# Altium PCB CC-B00-V00.PcbDoc (part 1 of 3) (continued)
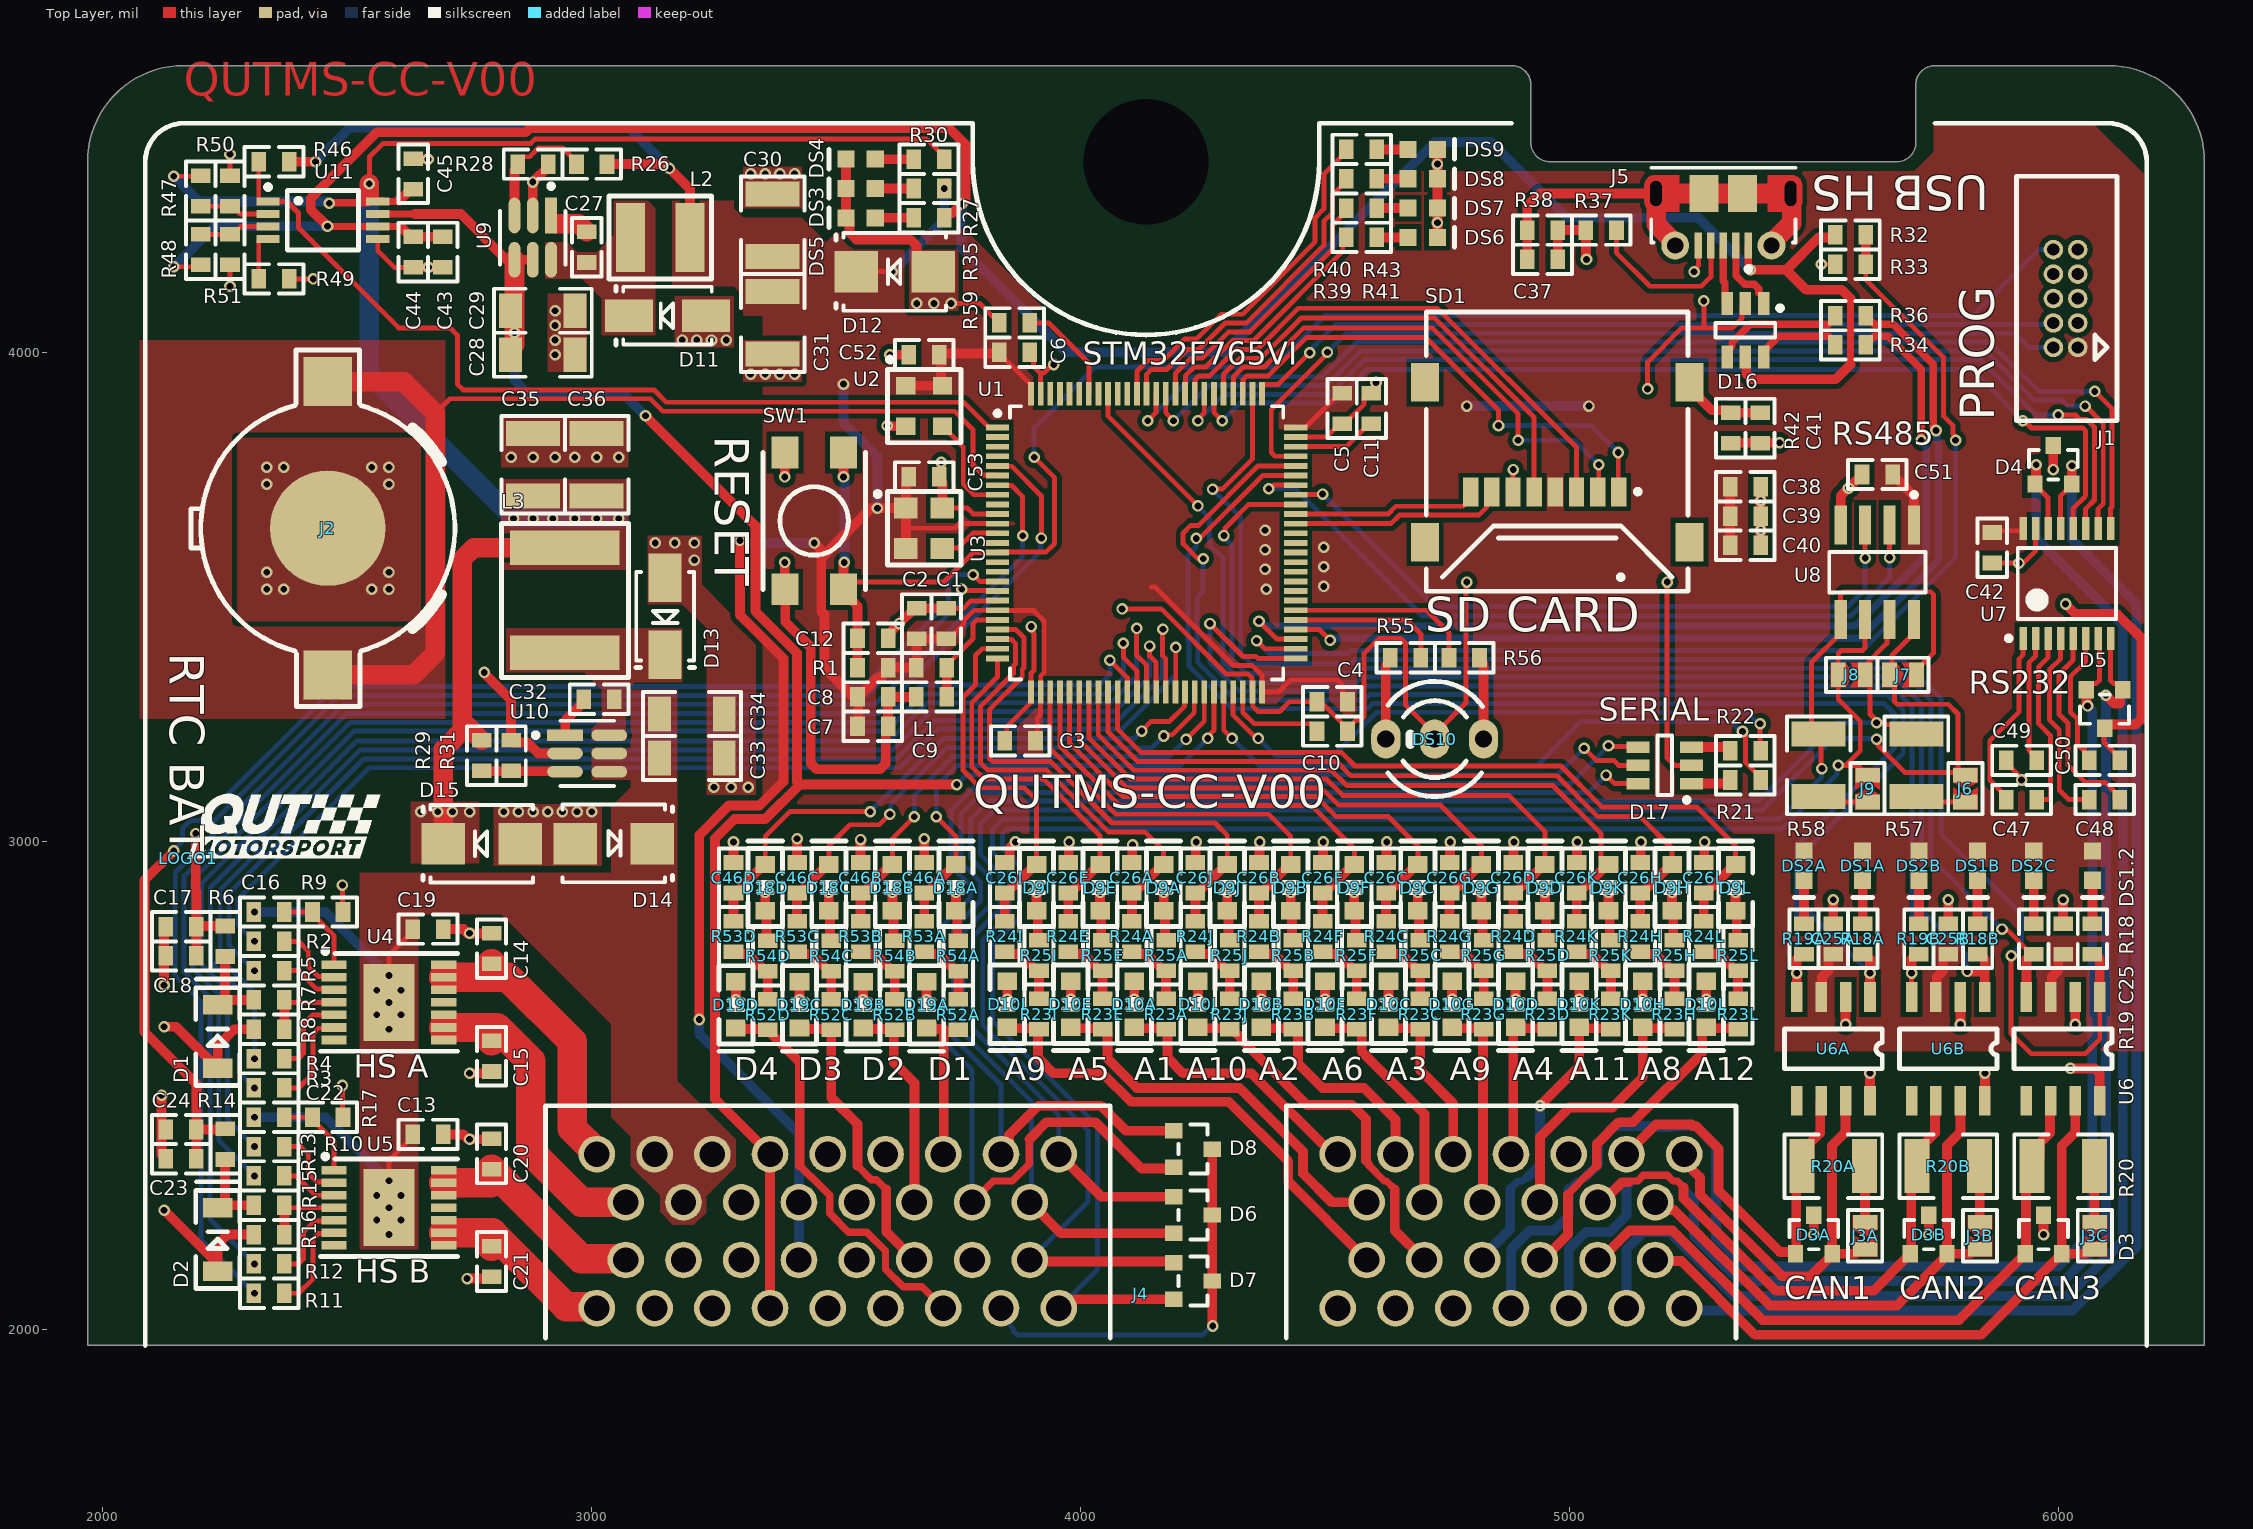
[diagram p0: Top Layer view]
## Classes and differential pairs
component class CC-S00-V00-ChassisController: LOGO1 LOGO2
channel class CC-S07-V00-AnalogueIn: "Analog In1" "Analog In2" "Analog In3" "Analog In4" "Analog In5" "Analog In6" "Analog In7" "Analog In8" "Analog In9" "Analog In10" "Analog In11" "Analog In12"
channel class CC-S06-V00-DigitalIn: "Digital In1" "Digital In2" "Digital In3" "Digital In4"
channel class CC-S03-V00-CANBUS: "CANBUS 1" "CANBUS 2" "CANBUS 3"
net class LED[1..6]: LED1 LED2 LED3 LED4 LED5 LED6
net class HSOUT[1..4]: HSOUT1 HSOUT2 HSOUT3 HSOUT4
net class HSEN[1..4]: HSEN1 HSEN2 HSEN3 HSEN4
net class HSDIAG[1..4]: HSDIAG1 HSDIAG2 HSDIAG3 HSDIAG4
net class HSADC[1..2]: HSADC1 HSADC2
net class DOUT[1..4]: DOUT1 DOUT2 DOUT3 DOUT4
net class DIN[1..4]: DIN1 DIN2 DIN3 DIN4
net class AOUT[1..12]: AOUT1 AOUT2 AOUT3 AOUT4 AOUT5 AOUT6 AOUT7 AOUT8 AOUT9 AOUT10 AOUT11 AOUT12
net class AIN[1..12]: AIN1 AIN2 AIN3 AIN4 AIN5 AIN6 AIN7 AIN8 AIN9 AIN10 AIN11 AIN12
component class "Serial Communications": C42 C47 C48 C49 C50 C51 D4 D5 D6 D7 D8 D17 J6 J7 J8 J9 R21 R22 R57 R58 U7 U8
component class Power: L4 R44 R45
component class "Power Selection": C43 C44 C45 R46 R47 R48 R49 R50 R51 U11
component class Microcontroller: C1 C2 C3 C4 C5 C6 C7 C8 C9 C10 C11 C12 C52 C53 J1 J2 L1 R1 R59 SW1 U1 U2 U3
component class "Micocontroller Peripherals": C37 C38 C39 C40 C41 D16 DS5 DS6 DS7 DS8 DS9 DS10 J5 M1 R32 R33 R34 R35 R36 R37 R38 R39 R40 R41 R42 R43 R55 R56 SD1
component class "High Side Outputs": C13 C14 C15 C16 C17 C18 C19 C20 C21 C22 C23 C24 D1 D2 R2 R3 R4 R5 R6 R7 R8 R9 R10 R11 R12 R13 R14 R15 R16 R17 U4 U5
component class "Digital In4": C46D D18D D19D R52D R53D R54D
component class "Digital In3": C46C D18C D19C R52C R53C R54C
component class "Digital In2": C46B D18B D19B R52B R53B R54B
component class "Digital In1": C46A D18A D19A R52A R53A R54A
component class Connector: J4
component class "CANBUS 3": C25 D3 DS1.2 DS2C J3C R18 R19 R20 U6
component class "CANBUS 2": C25B D3B DS1B DS2B J3B R18B R19B R20B U6B
component class "CANBUS 1": C25A D3A DS1A DS2A J3A R18A R19A R20A U6A
component class "Analog In12": C26L D9L D10L R23L R24L R25L
component class "Analog In11": C26K D9K D10K R23K R24K R25K
component class "Analog In10": C26J D9J D10J R23J R24J R25J
component class "Analog In9": C26I D9I D10I R23I R24I R25I
component class "Analog In8": C26H D9H D10H R23H R24H R25H
component class "Analog In7": C26G D9G D10G R23G R24G R25G
component class "Analog In6": C26F D9F D10F R23F R24F R25F
component class "Analog In5": C26E D9E D10E R23E R24E R25E
component class "Analog In4": C26D D9D D10D R23D R24D R25D
component class "Analog In3": C26C D9C D10C R23C R24C R25C
component class "Analog In2": C26B D9B D10B R23B R24B R25B
component class "Analog In1": C26A D9A D10A R23A R24A R25A
component class "5V Supply": C32 C33 C34 C35 C36 D13 D14 D15 DS4 L3 R29 R30 R31 U10
component class "3V3 Supply": C27 C28 C29 C30 C31 D11 D12 DS3 L2 R26 R27 R28 U9
differential pair USB: +USB_P -USB_N
differential pair "USB ESD D": +"USB ESD D_P" -"USB ESD D_N"
differential pair "USB D": +"USB D_P" -"USB D_N"

## Components (designator, comment, footprint, x,y, rotation, side; value= is the part's Value field where it differs from the comment)
C1 "4u7" Cap_Ceramic_0603 3725,3445 r270 top
C2 "100nF" Cap_Ceramic_0603 3665,3445 r270 top
C3 "100nF" Cap_Ceramic_0603 3876.45,3204.89 r0 top
C4 "100nF" Cap_Ceramic_0603 4515,3285 r0 top
C5 "100nF" Cap_Ceramic_0603 4535,3885 r90 top
C6 "100nF" Cap_Ceramic_0603 3865,4000 r180 top
C7 "1uF" Cap_Ceramic_0603 3575,3235 r180 top
C8 "100nF" Cap_Ceramic_0603 3575,3295 r180 top
C9 "10nF" Cap_Ceramic_0603 3695,3295 r0 top
C10 "2u2" Cap_Ceramic_0603 4515,3225 r180 top
C11 "2u2" Cap_Ceramic_0603 4595,3885 r270 top
C12 "100nF" Cap_Ceramic_0603 3575,3415 r180 top
C13 "100nF" Cap_Ceramic_0603 2665,2400 r0 top
C14 "10nF" Cap_Ceramic_0603 2795,2780 r270 top
C15 "10nF" Cap_Ceramic_0603 2795,2560 r90 top
C16 "47nF" Cap_Ceramic_0603 2340,2855 r180 top
C17 "100nF" Cap_Ceramic_0603 2160,2825 r0 top
C18 "100nF" Cap_Ceramic_0603 2160,2765 r0 top
C19 "100nF" Cap_Ceramic_0603 2665,2820 r0 top
C20 "10nF" Cap_Ceramic_0603 2795,2360 r270 top
C21 "10nF" Cap_Ceramic_0603 2795,2140 r90 top
C22 "47nF" Cap_Ceramic_0603 2340,2435 r180 top
C23 "100nF" Cap_Ceramic_0603 2160,2350 r0 top
C24 "100nF" Cap_Ceramic_0603 2160,2410 r0 top
C25 "100nF" Cap_Ceramic_0603 6010,2800 r270 top
C25A "100nF" Cap_Ceramic_0603 5540,2800 r270 top (schematic designator C25)
C25B "100nF" Cap_Ceramic_0603 5775,2800 r270 top (schematic designator C25)
C26A "10nF" Cap_Ceramic_0603 4105,2925 r270 top (schematic designator C26)
C26B "10nF" Cap_Ceramic_0603 4365,2925 r270 top (schematic designator C26)
C26C "10nF" Cap_Ceramic_0603 4625,2925 r270 top (schematic designator C26)
C26D "10nF" Cap_Ceramic_0603 4885,2925 r270 top (schematic designator C26)
C26E "10nF" Cap_Ceramic_0603 3975,2925 r270 top (schematic designator C26)
C26F "10nF" Cap_Ceramic_0603 4495,2925 r270 top (schematic designator C26)
C26G "10nF" Cap_Ceramic_0603 4755,2925 r270 top (schematic designator C26)
C26H "10nF" Cap_Ceramic_0603 5145,2925 r270 top (schematic designator C26)
C26I "10nF" Cap_Ceramic_0603 3845,2925 r270 top (schematic designator C26)
C26J "10nF" Cap_Ceramic_0603 4235,2925 r270 top (schematic designator C26)
C26K "10nF" Cap_Ceramic_0603 5015,2925 r270 top (schematic designator C26)
C26L "10nF" Cap_Ceramic_0603 5275,2925 r270 top (schematic designator C26)
C27 "100nF 100V" Cap_Ceramic_0603 2990,4215 r270 top
C28 "22uF 35V 1206" Cap_Ceramic_1206 2900,3995 r180 top
C29 "22uF 35V 1206" Cap_Ceramic_1206 2900,4085 r180 top
C30 "47uF 16V 1210" Cap_Ceramic_1210 3370,4260 r270 top
C31 "47uF 16V 1210" Cap_Ceramic_1210 3370,4060 r90 top
C32 "100nF 100V" Cap_Ceramic_0603 3015,3290 r0 top
C33 "22uF 35V 1206" Cap_Ceramic_1206 3205,3170 r180 top
C34 "22uF 35V 1206" Cap_Ceramic_1206 3205,3260 r180 top
C35 "47uF 16V 1210" Cap_Ceramic_1210 2880,3770 r270 top
C36 "47uF 16V 1210" Cap_Ceramic_1210 3010,3770 r270 top
C37 "100nF" Cap_Ceramic_0603 4945,4190 r180 top
C38 "4u7" Cap_Ceramic_0603 5360,3725 r180 top
C39 "1uF" Cap_Ceramic_0603 5360,3665 r180 top
C40 "100nF" Cap_Ceramic_0603 5360,3605 r180 top
C41 "100nF" Cap_Ceramic_0603 5390,3845 r270 top
C42 "100nF" Cap_Ceramic_0603 5865,3600 r270 top
C43 "1uF" Cap_Ceramic_0603 2695,4205 r90 top
C44 "100nF" Cap_Ceramic_0603 2635,4205 r90 top
C45 "100nF" Cap_Ceramic_0603 2635,4365 r270 top
C46A "10nF" Cap_Ceramic_0603 3680,2925 r270 top (schematic designator C46)
C46B "10nF" Cap_Ceramic_0603 3550,2925 r270 top (schematic designator C46)
C46C "10nF" Cap_Ceramic_0603 3420,2925 r270 top (schematic designator C46)
C46D "10nF" Cap_Ceramic_0603 3290,2925 r270 top (schematic designator C46)
C47 "100nF" Cap_Ceramic_0603 5925,3085 r180 top
C48 "100nF" Cap_Ceramic_0603 6095,3085 r180 top
C49 "100nF" Cap_Ceramic_0603 5925,3165 r0 top
C50 "100nF" Cap_Ceramic_0603 6095,3165 r180 top
C51 "100nF" Cap_Ceramic_0603 5630,3750 r180 top
C52 "100nF" Cap_Ceramic_0603 3680,3995 r0 top
C53 "100nF" Cap_Ceramic_0603 3680,3745 r180 top
D1 "BZT52B3V3-G3-08" SOD123 2235,2600 r90 top
D2 "BZT52B3V3-G3-08" SOD123 2235,2185 r90 top
D3 "NUP2105L" NUP2105L 5970,2195 r0 top
D3A "NUP2105L" NUP2105L 5500,2195 r0 top (schematic designator D3)
D3B "NUP2105L" NUP2105L 5735,2195 r0 top (schematic designator D3)
D4 "NUP2105L" NUP2105L 5990,3770 r0 top
D5 "NUP2105L" NUP2105L 6095,3270 r180 top
D6 "NUP2105L" NUP2105L 4230,2235 r270 top
D7 "NUP2105L" NUP2105L 4230,2100 r270 top
D8 "NUP2105L" NUP2105L 4230,2370 r270 top
D9A "MM3Z3V3B" SOD323F 4170,2905 r90 top (schematic designator D9)
D9B "MM3Z3V3B" SOD323F 4430,2905 r90 top (schematic designator D9)
D9C "MM3Z3V3B" SOD323F 4690,2905 r90 top (schematic designator D9)
D9D "MM3Z3V3B" SOD323F 4950,2905 r90 top (schematic designator D9)
D9E "MM3Z3V3B" SOD323F 4040,2905 r90 top (schematic designator D9)
D9F "MM3Z3V3B" SOD323F 4560,2905 r90 top (schematic designator D9)
D9G "MM3Z3V3B" SOD323F 4820,2905 r90 top (schematic designator D9)
D9H "MM3Z3V3B" SOD323F 5210,2905 r90 top (schematic designator D9)
D9I "MM3Z3V3B" SOD323F 3910,2905 r90 top (schematic designator D9)
D9J "MM3Z3V3B" SOD323F 4300,2905 r90 top (schematic designator D9)
D9K "MM3Z3V3B" SOD323F 5080,2905 r90 top (schematic designator D9)
D9L "MM3Z3V3B" SOD323F 5340,2905 r90 top (schematic designator D9)
D10A "PESD5V0L1UA" SOD323F 4110,2666.24 r270 top (schematic designator D10)
D10B "PESD5V0L1UA" SOD323F 4370,2666.24 r270 top (schematic designator D10)
D10C "PESD5V0L1UA" SOD323F 4630,2666.24 r270 top (schematic designator D10)
D10D "PESD5V0L1UA" SOD323F 4890,2666.24 r270 top (schematic designator D10)
D10E "PESD5V0L1UA" SOD323F 3980,2666.24 r270 top (schematic designator D10)
D10F "PESD5V0L1UA" SOD323F 4500,2666.24 r270 top (schematic designator D10)
D10G "PESD5V0L1UA" SOD323F 4760,2666.24 r270 top (schematic designator D10)
D10H "PESD5V0L1UA" SOD323F 5150,2666.24 r270 top (schematic designator D10)
D10I "PESD5V0L1UA" SOD323F 3850,2666.24 r270 top (schematic designator D10)
D10J "PESD5V0L1UA" SOD323F 4240,2666.24 r270 top (schematic designator D10)
D10K "PESD5V0L1UA" SOD323F 5020,2666.24 r270 top (schematic designator D10)
D10L "PESD5V0L1UA" SOD323F 5280,2666.24 r270 top (schematic designator D10)
D11 "B260A-13-F" SMA 3155,4075 r180 top
D12 "SMBJ15CA" SMB 3620,4165 r180 top
D13 "B260A-13-F" SMA 3150,3460 r270 top
D14 "SMBJ15CA" SMB 3045,2995 r0 top
D15 "SMBJ15CA" SMB 2775,2995 r180 top
D16 "USBLC6-2SC6" USBLC6-2SC6 5360,4045 r270 top
D17 "USBLC6-2SC6" USBLC6-2SC6 5195,3155 r180 top
D18A "MM3Z3V3B" SOD323F 3745,2905 r90 top (schematic designator D18)
D18B "MM3Z3V3B" SOD323F 3615,2905 r90 top (schematic designator D18)
D18C "MM3Z3V3B" SOD323F 3485,2905 r90 top (schematic designator D18)
D18D "MM3Z3V3B" SOD323F 3355,2905 r90 top (schematic designator D18)
D19A "PESD5V0L1UA" SOD323F 3685,2665 r270 top (schematic designator D19)
D19B "PESD5V0L1UA" SOD323F 3555,2665 r270 top (schematic designator D19)
D19C "PESD5V0L1UA" SOD323F 3425,2665 r270 top (schematic designator D19)
D19D "PESD5V0L1UA" SOD323F 3295,2665 r270 top (schematic designator D19)
DS1.2 "LED Blue 0603" "LED BLUE 0603" 6070,2950 r270 top (schematic designator DS1)
DS1A "LED Blue 0603" "LED BLUE 0603" 5600,2950 r270 top (schematic designator DS1)
DS1B "LED Blue 0603" "LED BLUE 0603" 5835,2950 r270 top (schematic designator DS1)
DS2A "LED Blue 0603" "LED BLUE 0603" 5480,2950 r270 top (schematic designator DS2)
DS2B "LED Blue 0603" "LED BLUE 0603" 5715,2950 r270 top (schematic designator DS2)
DS2C "LED Blue 0603" "LED BLUE 0603" 5950,2950 r270 top (schematic designator DS2)
DS3 "LED Green 0603" "LED GREEN 0603" 3550,4335 r180 top
DS4 "LED Green 0603" "LED GREEN 0603" 3550,4395 r180 top
DS5 "LED Green 0603" "LED GREEN 0603" 3550,4275 r180 top
DS6 "LED Orange 0603" "LED ORANGE 0603" 4700,4235 r0 top
DS7 "LED Orange 0603" "LED ORANGE 0603" 4700,4295 r0 top
DS8 "LED Orange 0603" "LED ORANGE 0603" 4700,4355 r0 top
DS9 "LED Orange 0603" "LED ORANGE 0603" 4700,4415 r0 top
DS10 "XLMDKCBD34M" XLxxxx34x 4724.41,3208.67 r90 top locked
J1 "IDC 10P 2x5 1.27mm" "IDC 1.27MM 10P" 6015,4110 r90 top
J2 "Keystone 2984" "KEYSTONE 2894" 2460,3640 r270 top
J3A "Jumper 2Way Solderable" Jumper_2Way_Solderable 5605,2220 r180 top (schematic designator J3)
J3B "Jumper 2Way Solderable" Jumper_2Way_Solderable 5840,2220 r180 top (schematic designator J3)
J3C "Jumper 2Way Solderable" Jumper_2Way_Solderable 6075,2220 r180 top (schematic designator J3)
J4 "3-6437285-2" "SUPERSEAL RIGHT 60WAY" 4240.79,1788.68 r0 top locked
J5 "105017-0001" 105017-0001 5314.96,4271.65 r180 top
J6 "Jumper 2Way Solderable" Jumper_2Way_Solderable 5810,3135 r180 top
J7 "Jumper 2Way Solderable" Jumper_2Way_Solderable 5655,3340 r270 top
J8 "Jumper 2Way Solderable" Jumper_2Way_Solderable 5550,3340 r270 top
J9 "Jumper 2Way Solderable" Jumper_2Way_Solderable 5610,3080 r0 top
L1 "10uH" Inductor_0603 3695,3355 r0 top
L2 "74404042470" INDUCTOR_4X3MM_1.8MM 3140,4235 r0 top
L3 "74404064221" Inductor_6x6mm 2945,3490 r90 top
L4 "10uH" Inductor_0603 5410,2580 r180 bottom
LOGO1 "10mm Wide QUTMS Logo" "QUTMS LOGO 10MM" 2175,2965 r0 top
LOGO2 "30mm Wide QUTMS Logo" "QUTMS LOGO 30MM" 3777.48,3191 r180 bottom
R1 "4k7 5% 0603" Res_ThinFilm_0603 3575,3355 r0 top
R2 "4k7" Res_ThinFilm_0603 2340,2795 r0 top
R3 "4k7" Res_ThinFilm_0603 2340,2495 r0 top
R4 "4k7" Res_ThinFilm_0603 2340,2555 r0 top
R5 "4k7" Res_ThinFilm_0603 2340,2735 r0 top
R6 "4k7" Res_ThinFilm_0603 2250,2795 r270 top
R7 "4k7" Res_ThinFilm_0603 2340,2675 r0 top
R8 "1k2" Res_ThinFilm_0603 2340,2615 r180 top
R9 "47R" Res_ThinFilm_0603 2460,2855 r180 top
R10 "4k7" Res_ThinFilm_0603 2340,2375 r0 top
R11 "4k7" Res_ThinFilm_0603 2340,2075 r0 top
R12 "4k7" Res_ThinFilm_0603 2340,2135 r0 top
R13 "4k7" Res_ThinFilm_0603 2340,2315 r0 top
R14 "4k7" Res_ThinFilm_0603 2250,2380 r270 top
R15 "4k7" Res_ThinFilm_0603 2340,2255 r0 top
R16 "1k2" Res_ThinFilm_0603 2340,2195 r180 top
R17 "47R" Res_ThinFilm_0603 2460,2435 r180 top
R18 "330R 5% 0603" Res_ThinFilm_0603 6070,2800 r90 top
R18A "330R 5% 0603" Res_ThinFilm_0603 5600,2800 r90 top (schematic designator R18)
R18B "330R 5% 0603" Res_ThinFilm_0603 5835,2800 r90 top (schematic designator R18)
R19 "330R 5% 0603" Res_ThinFilm_0603 5950,2800 r90 top
R19A "330R 5% 0603" Res_ThinFilm_0603 5480,2800 r90 top (schematic designator R19)
R19B "330R 5% 0603" Res_ThinFilm_0603 5715,2800 r90 top (schematic designator R19)
R20 "120R 1% 1210" Res_ThinFilm_1210 6010,2335 r0 top
R20A "120R 1% 1210" Res_ThinFilm_1210 5540,2335 r0 top (schematic designator R20)
R20B "120R 1% 1210" Res_ThinFilm_1210 5775,2335 r0 top (schematic designator R20)
R21 "1k" Res_ThinFilm_0603 5360,3125 r180 top
R22 "1k" Res_ThinFilm_0603 5360,3185 r180 top
R23A "15k" Res_ThinFilm_0603 4175,2646.24 r270 top (schematic designator R23)
R23B "15k" Res_ThinFilm_0603 4435,2646.24 r270 top (schematic designator R23)
R23C "15k" Res_ThinFilm_0603 4695,2646.24 r270 top (schematic designator R23)
R23D "15k" Res_ThinFilm_0603 4955,2646.24 r270 top (schematic designator R23)
R23E "15k" Res_ThinFilm_0603 4045,2646.24 r270 top (schematic designator R23)
R23F "15k" Res_ThinFilm_0603 4565,2646.24 r270 top (schematic designator R23)
R23G "15k" Res_ThinFilm_0603 4825,2646.24 r270 top (schematic designator R23)
R23H "15k" Res_ThinFilm_0603 5215,2646.24 r270 top (schematic designator R23)
R23I "15k" Res_ThinFilm_0603 3915,2646.24 r270 top (schematic designator R23)
R23J "15k" Res_ThinFilm_0603 4305,2646.24 r270 top (schematic designator R23)
R23K "15k" Res_ThinFilm_0603 5085,2646.24 r270 top (schematic designator R23)
R23L "15k" Res_ThinFilm_0603 5345,2646.24 r270 top (schematic designator R23)
R24A "10k" Res_ThinFilm_0603 4105,2805 r270 top (schematic designator R24)
R24B "10k" Res_ThinFilm_0603 4365,2805 r270 top (schematic designator R24)
R24C "10k" Res_ThinFilm_0603 4625,2805 r270 top (schematic designator R24)
R24D "10k" Res_ThinFilm_0603 4885,2805 r270 top (schematic designator R24)
R24E "10k" Res_ThinFilm_0603 3975,2805 r270 top (schematic designator R24)
R24F "10k" Res_ThinFilm_0603 4495,2805 r270 top (schematic designator R24)
R24G "10k" Res_ThinFilm_0603 4755,2805 r270 top (schematic designator R24)
R24H "10k" Res_ThinFilm_0603 5145,2805 r270 top (schematic designator R24)
R24I "10k" Res_ThinFilm_0603 3845,2805 r270 top (schematic designator R24)
R24J "10k" Res_ThinFilm_0603 4235,2805 r270 top (schematic designator R24)
R24K "10k" Res_ThinFilm_0603 5015,2805 r270 top (schematic designator R24)
R24L "10k" Res_ThinFilm_0603 5275,2805 r270 top (schematic designator R24)
R25A "22k" Res_ThinFilm_0603 4175,2766.24 r270 top (schematic designator R25)
R25B "22k" Res_ThinFilm_0603 4435,2766.24 r270 top (schematic designator R25)
R25C "22k" Res_ThinFilm_0603 4695,2766.24 r270 top (schematic designator R25)
R25D "22k" Res_ThinFilm_0603 4955,2766.24 r270 top (schematic designator R25)
R25E "22k" Res_ThinFilm_0603 4045,2766.24 r270 top (schematic designator R25)
R25F "22k" Res_ThinFilm_0603 4565,2766.24 r270 top (schematic designator R25)
R25G "22k" Res_ThinFilm_0603 4825,2766.24 r270 top (schematic designator R25)
R25H "22k" Res_ThinFilm_0603 5215,2766.24 r270 top (schematic designator R25)
R25I "22k" Res_ThinFilm_0603 3915,2766.24 r270 top (schematic designator R25)
R25J "22k" Res_ThinFilm_0603 4305,2766.24 r270 top (schematic designator R25)
R25K "22k" Res_ThinFilm_0603 5085,2766.24 r270 top (schematic designator R25)
R25L "22k" Res_ThinFilm_0603 5345,2766.24 r270 top (schematic designator R25)
R26 "64k9 1%" Res_ThinFilm_0603 3000,4385 r0 top
R27 "1k" Res_ThinFilm_0603 3690,4335 r0 top
R28 "19k6 1%" Res_ThinFilm_0603 2880,4385 r180 top
R29 "111k 1%" Res_ThinFilm_0603 2775,3175 r90 top
R30 "1k" Res_ThinFilm_0603 3690,4395 r0 top
R31 "20k 1%" Res_ThinFilm_0603 2835,3175 r270 top
R32 "10k" Res_ThinFilm_0603 5575,4240 r180 top
R33 "15k" Res_ThinFilm_0603 5575,4180 r180 top
R34 "22R" Res_ThinFilm_0603 5575,4015 r180 top
R35 "1k" Res_ThinFilm_0603 3690,4275 r0 top
R36 "22R" Res_ThinFilm_0603 5575,4075 r180 top
R37 "100k" Res_ThinFilm_0603 5065,4250 r0 top
R38 "100k" Res_ThinFilm_0603 4945,4250 r0 top
R39 "1k" Res_ThinFilm_0603 4575,4235 r180 top
R40 "1k" Res_ThinFilm_0603 4575,4295 r180 top
R41 "1k" Res_ThinFilm_0603 4575,4355 r180 top
R42 "100k" Res_ThinFilm_0603 5330,3845 r90 top
R43 "1k" Res_ThinFilm_0603 4575,4415 r180 top
R44 "DNF 0603" Res_ThinFilm_0603 5340,2480 r135 bottom
R45 "10k" Res_ThinFilm_0603 5410,2640 r180 bottom
R46 "10k" Res_ThinFilm_0603 2350,4390 r0 top
R47 "0R" Res_ThinFilm_0603 2200,4330 r90 top
R48 "DNF 0603" Res_ThinFilm_0603 2200,4210 r270 top
R49 "820R" Res_ThinFilm_0603 2350,4150 r180 top
R50 "DNF 0603" Res_ThinFilm_0603 2260,4330 r270 top
R51 "0R" Res_ThinFilm_0603 2260,4210 r90 top
R52A "15k" Res_ThinFilm_0603 3750,2645 r270 top (schematic designator R52)
R52B "15k" Res_ThinFilm_0603 3620,2645 r270 top (schematic designator R52)
R52C "15k" Res_ThinFilm_0603 3490,2645 r270 top (schematic designator R52)
R52D "15k" Res_ThinFilm_0603 3360,2645 r270 top (schematic designator R52)
R53A "10k" Res_ThinFilm_0603 3680,2805 r270 top (schematic designator R53)
R53B "10k" Res_ThinFilm_0603 3550,2805 r270 top (schematic designator R53)
R53C "10k" Res_ThinFilm_0603 3420,2805 r270 top (schematic designator R53)
R53D "10k" Res_ThinFilm_0603 3290,2805 r270 top (schematic designator R53)
R54A "22k" Res_ThinFilm_0603 3750,2765 r270 top (schematic designator R54)
R54B "22k" Res_ThinFilm_0603 3620,2765 r270 top (schematic designator R54)
R54C "22k" Res_ThinFilm_0603 3490,2765 r270 top (schematic designator R54)
R54D "22k" Res_ThinFilm_0603 3360,2765 r270 top (schematic designator R54)
R55 "1k" Res_ThinFilm_0603 4665,3375 r0 top
R56 "1k" Res_ThinFilm_0603 4785,3375 r180 top
R57 "120R 1% 1210" Res_ThinFilm_1210 5710,3155 r270 top
R58 "120R 1% 1210" Res_ThinFilm_1210 5510,3155 r90 top
R59 "10k" Res_ThinFilm_0603 3865,4060 r0 top
SD1 "47219-2001" 47219-2001 4975,3775 r180 top
SW1 "BTN Standard 4.5mm" "BTN STANDARD 4.5mm X 4.5mm" 3455,3655 r270 top
U1 "STM32F765VI" LQFP-100 4135,3610 r0 top
U2 "DSC6083CI2A-032K768" DSC6083CI2A-032K768 3680,3890 r0 top
U3 "DSC1001DI1-008.0000T" DSC1001DI1-008.0000TCT-ND 3680,3640 r0 top
U4 "BTS7080-2EPA" BTS70802EPA 2585,2670 r0 top
U5 "BTS7080-2EPA" BTS70802EPA 2585,2250 r0 top
U6 "SN65HVD233" SN65HVD233DR 6010,2575 r270 top
U6A "SN65HVD233" SN65HVD233DR 5540,2575 r270 top (schematic designator U6)
U6B "SN65HVD233" SN65HVD233DR 5775,2575 r270 top (schematic designator U6)
U7 "MAX3232CPWR" MAX3232CPWR 6020,3530 r90 top
U8 "MAX3490EESA" MAX3490EESA 5630,3550 r270 top
U9 "LMR14010" LMR14010 2880,4235 r270 top
U10 "LMR14010" LMR14010 2990,3180 r0 top
U11 "TPS2115A" TPS2115A 2450,4270 r0 top

## Footprints (in the part's own frame and the unit in brackets; to place one, negate y for a bottom-side part, rotate by r counter-clockwise, add the part's x,y. Pads: shape width x height; smd on the part's side, far side on the other; paste and mask are expansions set on the pad)
47219-2001 [mm]
  rect 0.8x1.5 smd: 1(-3.205,1.55) 2(-2.105,1.55) 3(-1.005,1.55) 4(0.095,1.55) 5(1.195,1.55) 6(2.295,1.55) 7(3.395,1.55) 8(4.495,1.55)
  rect 1.45x2 smd: 9(6.875,4.15) 10(6.875,-4.15) 11(-6.875,-4.15) 12(-6.875,4.15)
  silkscreen extent -6.8,-7.8 6.8,6.7, body extent -7.3,-7.79 7.3,6.71, height 1.91
105017-0001 [mm]
  rect 0.4x1.35 smd: 1(-1.3,1.35) 2(-0.65,1.35) 3(0,1.35) 4(0.65,1.35) 5(1.3,1.35)
  round 1.45 hole 0.85: 6(-2.5,1.35) 7(2.5,1.35)
  rrect50% 0x0 hole 0.6 slot 1.3 at 90 deg: 8(-3.5,-1.35) 11(3.5,-1.35)
  rect 1.5x1.9 smd: 9(-1,-1.35) 10(1,-1.35)
  Top Layer circle w0.5: c-3.6,-1.8 r0.25
  Top Layer region: -3.6,-1.8 -3.6,-0.9 -4.1,-0.9 -4.1,-1.8
  Top Layer region: 3.6,-0.9 3.6,-1.8 4.1,-1.8 4.1,-0.9
  Top Layer region: 2.3,-0.4 2.3,-2.3 3.6,-2.3 3.6,-0.4
  Top Layer region: -2.3,-2.3 -2.3,-0.4 -3.6,-0.4 -3.6,-2.3
  Top Layer lines w0.5: 3.6,-1.55 ccw(c3.6,-1.8) 3.35,-1.8 ccw(c3.6,-1.8) 3.6,-1.55 ; 3.478,-0.682 cw(c3.6,-0.9) 3.35,-0.9 cw(c3.6,-0.9) 3.478,-0.682 ; -3.444,-1.096 ccw(c-3.6,-0.9) -3.546,-0.656 ccw(c-3.6,-0.9) -3.796,-0.744 ccw(c-3.6,-0.9) -3.85,-0.9 ccw(c-3.6,-0.9) -3.546,-1.144 ccw(c-3.6,-0.9) -3.444,-1.096
  silkscreen extent -3.75,-2.69 3.75,2.7, body extent -4.1,-3.9 4.1,1.5, height 2.67
"BTN STANDARD 4.5mm X 4.5mm" [mil]
  rect 65x55 smd: 1(-140,60) 2(140,60) 3(-140,-60) 4(140,-60)
  silkscreen extent -140,-105 140,105, body extent -148,-89 148,89, height 165
BTS70802EPA [mm]
  rect 1.32x0.45 smd: 1(-2.85,1.95) 2(-2.85,1.3) 3(-2.85,0.65) 4(-2.85,0) 5(-2.85,-0.65) 6(-2.85,-1.3) 7(-2.85,-1.95) 8(2.85,-1.95) 9(2.85,-1.3) 10(2.85,-0.65) 11(2.85,0) 12(2.85,0.65) 13(2.85,1.3) 14(2.85,1.95)
  rect 2.65x4 smd paste-100: 15(0,0)
  silkscreen extent -3.56,-2.54 3.56,2.79, body extent -3.1,-2.5 3.1,2.5, height 1.15
Cap_Ceramic_0603 [mil]
  rect 30x40 smd: 1(-31.24,0) 2(31.24,0)
  silkscreen extent -60,-30 60,30, body extent -31,-16 32,16, height 33
Cap_Ceramic_1206 [mil]
  rect 47x71 smd: 1(-66.08,0) 2(66.08,0)
  silkscreen extent -100,-45 100,45, body extent -63,-31 63,32, height 53
Cap_Ceramic_1210 [mm]
  rect 1.3x2.8 smd: 1(-1.625,0) 2(1.625,0)
  silkscreen extent -2.54,-1.65 2.54,1.65, body extent -1.6,-1.25 1.6,1.25, height 1.35
DSC1001DI1-008.0000TCT-ND [mil]
  rect 48x43 smd: 1(-37.4,41.34) 2(37.4,41.34) 3(37.4,-41.34) 4(-37.4,-41.34)
  silkscreen extent -100,-75 75,75, body extent -49,-63 49,63, height 33
DSC6083CI2A-032K768 [mm]
  rect 1x0.9 smd: 1(-0.95,1.05) 2(-0.95,-1.05) 3(0.95,-1.05) 4(0.95,1.05)
  silkscreen extent -1.91,-1.91 1.91,2.54, body extent -1.25,-1.6 1.25,1.65, height 1.15
"IDC 1.27MM 10P" [mil]
  round 40 hole 25: 1(-100,-25) 2(-100,25) 3(-50,-25) 4(-50,25) 5(0,-25) 6(0,25) 7(50,-25) 8(50,25) 9(100,-25) 10(100,25)
  silkscreen extent -250,-105 250,100, body extent -249,-104 249,100, height 214
INDUCTOR_4X3MM_1.8MM [mm]
  rect 1.5x3.6 smd: 1(-1.55,0) 2(1.55,0)
  silkscreen extent -2.67,-2.16 2.67,2.16, body extent -2,-2 2,2, height 1.8
Inductor_6x6mm [mm]
  rect 1.8x5.7 smd: 1(-2.667,0) 2(2.794,0)
  silkscreen extent -3.94,-3.3 4.06,3.3, body extent -3,-3 3,3, height 4.56
Inductor_0603 [mil]
  rect 30x40 smd: 1(-31.24,0) 2(31.24,0)
  silkscreen extent -60,-30 60,30, body extent -31,-16 32,16, height 18
Jumper_2Way_Solderable [mil]
  rect 50x30 smd: 1(0,55) 2(0,0)
  Top Layer region: -25,25 0,40 25,25 25,70 -25,70
  Top Layer region: -25,15 0,30 25,15 25,-15 0,-15 -25,-15
  silkscreen extent -35,-25 35,80
"KEYSTONE 2894" [mm]
  rect 2.54x2.54 smd: 1(-7.62,0) 1(7.62,0)
  round 6 smd paste-25.4: 2(0,0)
  silkscreen extent -9.27,-7.11 9.27,6.6, body extent -9.02,-7.42 8.76,6.03, height 2.41
"LED BLUE 0603" [mil]
  rect 35x35 smd: 1(-30,0) 2(30,0)
  silkscreen extent 65,-20 65,20, body extent -40,-20 40,20, height 30
"LED GREEN 0603" [mil]
  rect 35x35 smd: 1(-30,0) 2(30,0)
  silkscreen extent 65,-20 65,20, body extent -40,-20 40,20, height 30
"LED ORANGE 0603" [mil]
  rect 35x35 smd: 1(-30,0) 2(30,0)
  silkscreen extent 65,-20 65,20, body extent -40,-20 40,20, height 30
LMR14010 [mil]
  rect 73.01x24.1 smd paste+0: 1(-44.73,36.75)
  rrect100% 73.01x24.1 smd paste+0: 2(-44.73,-0.65) 3(-44.73,-38.05) 4(45.84,-38.05) 5(45.84,-0.65) 6(45.84,36.75)
  silkscreen extent -110,-68 56,66, body extent -55,-58 56,56, height 43
LQFP-100 [mm]
  rect 1.2x0.3 smd paste+0: 1(-7.75,6.001) 2(-7.75,5.501) 3(-7.75,5.001) 4(-7.75,4.501) 5(-7.75,4.001) 6(-7.75,3.501) 7(-7.75,3.001) 8(-7.75,2.501) 9(-7.75,2.001) 10(-7.75,1.501) 11(-7.75,1.001) 12(-7.75,0.501) 13(-7.75,0.001) 14(-7.75,-0.499) 15(-7.75,-0.999) 16(-7.75,-1.499) 17(-7.75,-1.999) 18(-7.75,-2.499) 19(-7.75,-2.999) 20(-7.75,-3.499) 21(-7.75,-3.999) 22(-7.75,-4.499) 23(-7.75,-4.999) 24(-7.75,-5.499) 25(-7.75,-5.999) 51(7.75,-5.999) 52(7.75,-5.499) 53(7.75,-4.999) 54(7.75,-4.499) 55(7.75,-3.999) 56(7.75,-3.499) 57(7.75,-2.999) 58(7.75,-2.499) 59(7.75,-1.999) 60(7.75,-1.499) 61(7.75,-0.999) 62(7.75,-0.499) 63(7.75,0.001) 64(7.75,0.501) 65(7.75,1.001) 66(7.75,1.501) 67(7.75,2.001) 68(7.75,2.501) 69(7.75,3.001) 70(7.75,3.501) 71(7.75,4.001) 72(7.75,4.501) 73(7.75,5.001) 74(7.75,5.501) 75(7.75,6.001)
  rect 0.3x1.2 smd paste+0: 26(-6,-7.749) 27(-5.5,-7.749) 28(-5,-7.749) 29(-4.5,-7.749) 30(-4,-7.749) 31(-3.5,-7.749) 32(-3,-7.749) 33(-2.5,-7.749) 34(-2,-7.749) 35(-1.5,-7.749) 36(-1,-7.749) 37(-0.5,-7.749) 38(0,-7.749) 39(0.5,-7.749) 40(1,-7.749) 41(1.5,-7.749) 42(2,-7.749) 43(2.5,-7.749) 44(3,-7.749) 45(3.5,-7.749) 46(4,-7.749) 47(4.5,-7.749) 48(5,-7.749) 49(5.5,-7.749) 50(6,-7.749) 76(6,7.751) 77(5.5,7.751) 78(5,7.751) 79(4.5,7.751) 80(4,7.751) 81(3.5,7.751) 82(3,7.751) 83(2.5,7.751) 84(2,7.751) 85(1.5,7.751) 86(1,7.751) 87(0.5,7.751) 88(0,7.751) 89(-0.5,7.751) 90(-1,7.751) 91(-1.5,7.751) 92(-2,7.751) 93(-2.5,7.751) 94(-3,7.751) 95(-3.5,7.751) 96(-4,7.751) 97(-4.5,7.751) 98(-5,7.751) 99(-5.5,7.751) 100(-6,7.751)
  silkscreen extent -7.87,-7.1 7.1,7.1, body extent -8.01,-8.01 8.01,8.01, height 1.6
MAX3232CPWR [mm]
  rect 1.2x0.4 smd: 1(-2.929,2.332) 2(-2.929,1.682) 3(-2.929,1.032) 4(-2.929,0.382) 5(-2.929,-0.268) 6(-2.929,-0.918) 7(-2.929,-1.568) 8(-2.929,-2.218) 9(2.771,-2.218) 10(2.771,-1.568) 11(2.771,-0.918) 12(2.771,-0.268) 13(2.771,0.382) 14(2.771,1.032) 15(2.771,1.682) 16(2.771,2.332)
  silkscreen extent -3.05,-2.49 1.77,3.21, body extent -3.29,-2.44 3.13,2.56, height 1
MAX3490EESA [mil]
  rect 80x25 smd: 1(-97.05,75) 2(-97.05,25) 3(-97.05,-25) 4(-97.05,-75) 5(97.05,-75) 6(97.05,-25) 7(97.05,25) 8(97.05,75)
  silkscreen extent -163,-98 41,98, body extent -118,-96 118,96, height 69
NUP2105L [mm]
  rect 0.8x0.9 smd: 1(-0.95,-1) 2(0.95,-1) 3(0,1)
  silkscreen extent -1.27,-0.76 1.27,0.76, body extent -1.45,-1.22 1.45,1.18, height 1
"QUTMS LOGO 10MM" [mil]
  silkscreen extent 0,0 392,131
"QUTMS LOGO 30MM" [mil]
  silkscreen extent -1,1 1182,398
Res_ThinFilm_0603 [mil]
  rect 30x40 smd: 1(-31.24,0) 2(31.24,0)
  silkscreen extent -60,-30 60,30, body extent -31,-16 32,16, height 18
Res_ThinFilm_1210 [mm]
  rect 1.3x2.8 smd: 1(-1.625,0) 2(1.625,0)
  silkscreen extent -2.54,-1.65 2.54,1.65, body extent -1.6,-1.25 1.6,1.25, height 0.6
SMA [mm]
  rect 2.5x1.7 smd: A(-2,0) K(2,0)
  silkscreen extent -2.3,-1.52 2.67,1.52, body extent -2.52,-1.46 2.52,1.46, height 2.4
SMB [mm]
  rect 2.26x2.16 smd: A(-2,0) K(2,0)
  silkscreen extent -2.67,-2.01 3.05,2.03, body extent -2.75,-1.95 2.75,1.95, height 2.45
SN65HVD233DR [mm]
  rect 1.55x0.6 smd: 1(-2.7,1.903) 2(-2.7,0.633) 3(-2.7,-0.637) 4(-2.7,-1.907) 5(2.7,-1.907) 6(2.7,-0.637) 7(2.7,0.633) 8(2.7,1.903)
  silkscreen extent -1.04,-2.54 1.04,2.54, body extent -3.01,-2.45 3.01,2.45, height 1.63
SOD123 [mil]
  rect 40x60 smd: A(-65,0) K(65,0)
  silkscreen extent -100,-45 118,45, body extent -74,-33 74,33, height 47
SOD323F [mm]
  rect 0.9x1.016 smd: A(-1.2,0) K(1.2,0)
  silkscreen extent -2.03,-0.89 2.41,0.89, body extent -1.25,-0.68 1.25,0.68, height 0.8
"SUPERSEAL RIGHT 60WAY" [mm]
  round 1.905 hole 1.321: A1(7.25,14.5) A2(10.25,14.5) A3(13.25,14.5) A4(16.25,14.5) A5(19.25,14.5) A6(22.25,14.5) A7(25.25,14.5) A8(8.75,12) A9(11.75,12) A10(14.75,12) A11(17.75,12) A12(20.75,12) A13(23.75,12) A14(8.75,9) A15(11.75,9) A16(14.75,9) A17(17.75,9) A18(20.75,9) A19(23.75,9) A20(7.25,6.5) A21(10.25,6.5) A22(13.25,6.5) A23(16.25,6.5) A24(19.25,6.5) A25(22.25,6.5) A26(25.25,6.5) B1(-31.25,14.5) B2(-28.25,14.5) B3(-25.25,14.5) B4(-22.25,14.5) B5(-19.25,14.5) B6(-16.25,14.5) B7(-13.25,14.5) B8(-10.25,14.5) B9(-7.25,14.5) B10(-29.75,12) B11(-26.75,12) B12(-23.75,12) B13(-20.75,12) B14(-17.75,12) B15(-14.75,12) B16(-11.75,12) B17(-8.75,12) B18(-29.75,9) B19(-26.75,9) B20(-23.75,9) B21(-20.75,9) B22(-17.75,9) B23(-14.75,9) B24(-11.75,9) B25(-8.75,9) B26(-31.25,6.5) B27(-28.25,6.5) B28(-25.25,6.5) B29(-22.25,6.5) B30(-19.25,6.5) B31(-16.25,6.5) B32(-13.25,6.5) B33(-10.25,6.5) B34(-7.25,6.5)
  rect 0x0 hole 3.3: N/C(-38.5,0) N/C(0,0) N/C(32.5,0)
  silkscreen extent -33.91,4.95 27.94,17.02, body extent -42.05,-19.48 35.95,17.02, height 24.75
TPS2115A [mm]
  rect 1.2x0.4 smd: 1(-2.85,0.975) 2(-2.85,0.325) 3(-2.85,-0.325) 4(-2.85,-0.975) 5(2.85,-0.975) 6(2.85,-0.325) 7(2.85,0.325) 8(2.85,0.975)
  silkscreen extent -2.98,-1.55 1.85,1.85, body extent -3.23,-1.5 3.23,1.5, height 1.2
USBLC6-2SC6 [mm] "USBLC6-2SC6"
  rect 1.2x0.6 smd: 1(-1.397,0.95) 2(-1.397,0) 3(-1.397,-0.95) 4(1.397,-0.95) 5(1.397,0) 6(1.397,0.95)
  silkscreen extent -1.27,-1.55 0.38,1.93, body extent -1.6,-1.52 1.6,1.53, height 1.5
XLxxxx34x [mil]
  oval 80x60 hole 35: 1(0,99.99) 2(0,-0.01) 3(0,-100.01)
  silkscreen extent -118,-97 118,96, body extent -79,-114 79,114, height 262